# Altium PCB OAI_KPA_Digital_part.PcbDoc (part 3 of 3)
Units mil, origin at the board's own origin, x right, y up, seen from the top; angles counter-clockwise.
Board outline 5906.35 x 2551.18 mil, 4 copper layers (Top Layer, Mid-Layer 1, Internal Plane 2, Bottom Layer); 133 components, 173 nets, 617 pads, 278 vias.
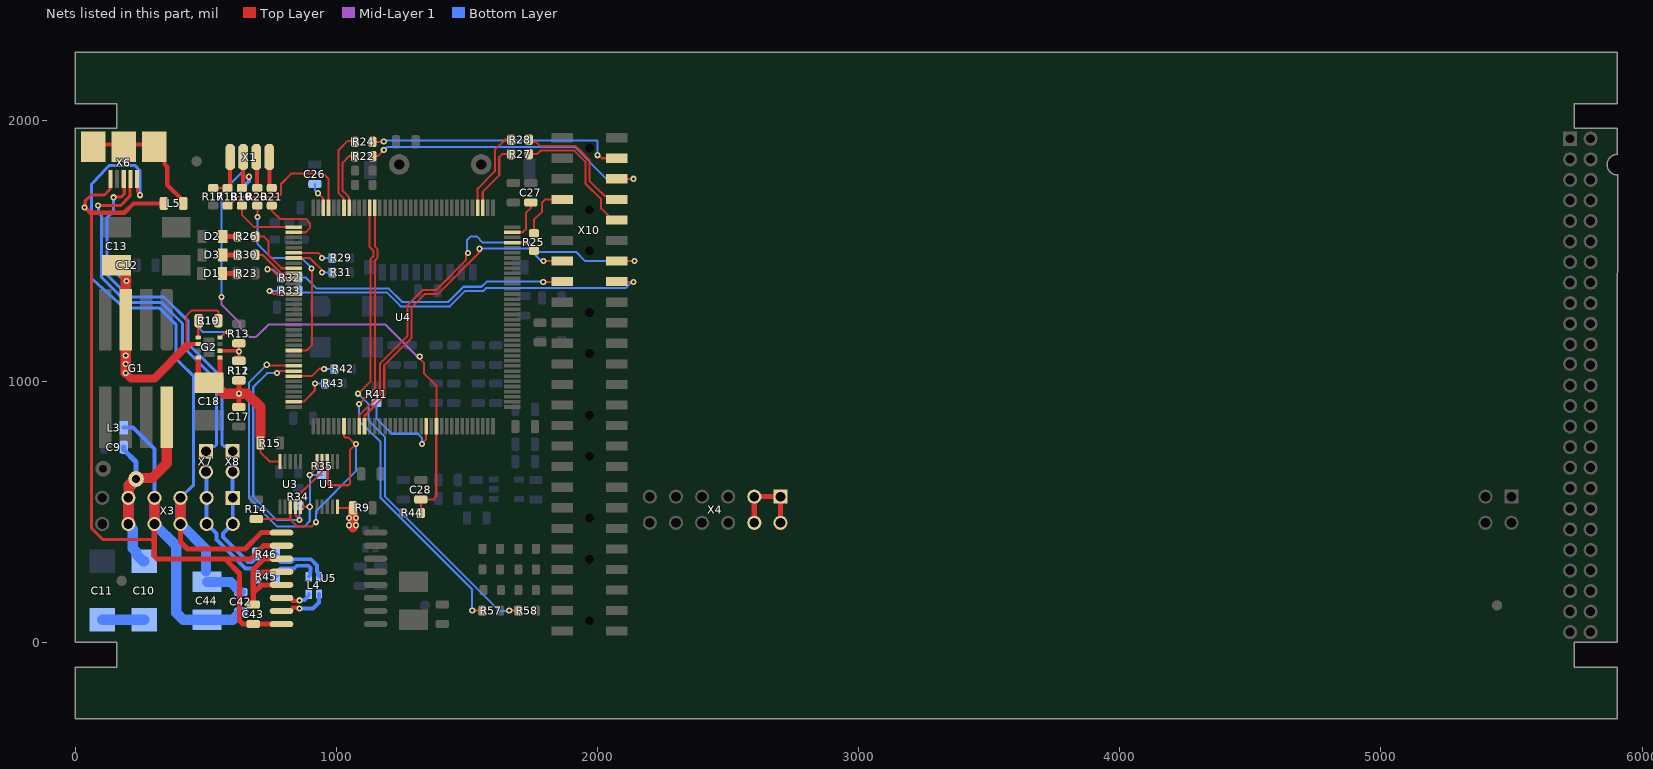
[diagram p5: the nets of this part, all layers, seen from the top]

## Via types
v1: diameter 23.62, hole 11.81, Top Layer to Bottom Layer, 243 vias
v2: diameter 31.5, hole 31.5, Top Layer to Bottom Layer, 30 vias
v3: diameter 19.68, hole 7.87, Top Layer to Bottom Layer, 2 vias
v4: diameter 43.31, hole 31.5, Top Layer to Bottom Layer, 1 vias
v5: diameter 59.06, hole 31.5, Top Layer to Bottom Layer, 1 vias
v6: diameter 47.24, hole 23.62, Top Layer to Bottom Layer, 1 vias

## Nets (pads, with @x,y where several pads share a name; then routed paths per layer and width w, separated by ;. In a path a pad name is that pad's centre, name@x,y a point inside that pad or via, vN(x,y) a via of type N, cw(c..) or ccw(c..) an arc to the next point about the centre after c; other vN are vias at no path point) (continued)
GPIO_CPU_7: R57.1 U4.96 | length 1796.8
  Top Layer w7.87: v1@1086.29,912.79 1146.65,973.16 1146.65,1462.8 1157.48,1473.62 1157.48,1506.24 1146.65,1517.06 U4.96@1146.65,1664.37 ; v1(1519.68,122.05) R57.1@1559.06,122.05
  Bottom Layer w7.87: v1(1086.61,913.39) 1086.61,846.46 1169.29,767.72 1169.29,553.32 1519.68,202.93 v1(1519.68,122.05)
GPIO_CPU_8: R58.1 U4.97 | length 1871.6
  Top Layer w7.87: v1(1082.68,952.76) 1130.91,1000.98 1130.91,1469.32 1141.73,1480.14 1141.73,1499.71 1126.97,1514.48 U4.97@1126.97,1664.37 ; v1(1661.42,122.05) R58.1@1696.7,122.05
  Bottom Layer w7.87: v1(1082.68,952.76) 1122.05,913.39 1122.05,850.39 1185.04,787.4 1185.04,559.85 1623.62,121.27 v1@1662.2,121.27
I2C_CLK: U4.11 X10.14 | length 1228.5
  Top Layer w7.87: U4.11@1107.28,827.76 1107.28,867.13 1182.91,942.75 1182.91,1062.12 1287.4,1166.62 1287.4,1284.23 1337.23,1334.06 1387.83,1334.06 1547.24,1493.47 v1(1547.24,1507.87) ; v1(1793.22,1460.63) X10.14@1864.17,1460.63
  Bottom Layer w7.87: v1(1547.24,1507.87) 1737.69,1507.87 1784.93,1460.63 1787.4,1460.63 v1(1793.22,1460.63)
I2C_DIO: U4.10 X10.13 | length 1672.5
  Top Layer w7.87: U4.10@1087.6,827.76 1087.6,869.71 1167.16,949.27 1167.16,1068.83 1271.21,1172.88 1271.21,1290.31 1330.71,1349.81 1381.31,1349.81 1495.47,1463.97 1495.47,1483.65 v1(1503.64,1491.83) ; X10.13@2072.83,1460.63 v1(2141.73,1460.63)
  Bottom Layer w7.87: v1(1503.64,1491.83) 1500,1495.47 1500,1541.28 1513.83,1555.11 1536.39,1555.11 1560.01,1531.5 1736.33,1531.5 1771.77,1496.06 1917.32,1496.06 1952.76,1460.63 v1(2141.73,1460.63)
I2C_SCL: R35.1 U1.5 U3.5 U4.136 | length 1253.6
  Top Layer w7.87: v1(732.9,1063.61) 736.46,1060.04 835.63,1060.04 U4.136@836.61,1059.06 ; U3.5@862.2,519.69 v1(897.64,519.69) ; v1(897.64,641.73) 897.64,642.72 925.2,670.28 U1.5@925.2,692.91
  Bottom Layer w7.87: v1(732.9,1063.61) 665.35,996.06 665.35,551.63 773.27,443.72 876.31,443.72 897.56,464.97 897.56,527.15 897.96,527.56 897.64,527.88 v1(897.64,641.73) R35.1@944.88,641.73
I2C_SDA: R34.1 U1.4 U3.4 U4.137 | length 1117.8
  Top Layer w7.87: v1(771.65,1031.5) 775.91,1031.5 783.79,1039.37 U4.137@836.61,1039.37 ; U3.4@842.52,492.13 842.52,488.19 858.27,472.44 v1(858.27,468.5) ; U3.4@842.52,519.69 844.49,521.65 844.49,553.15 944.88,653.54 U1.4@944.88,692.91
  Bottom Layer w7.87: v1(771.65,1031.5) 734.31,1031.5 681.1,978.29 681.1,558.15 770.75,468.5 v1(858.27,468.5) 858.27,519.69 R34.1@854.33,523.62
JTDI: R21.2 U4.110 | length 272.2
  Top Layer w7.87: R21.2@751.97,1673.23 751.97,1653.54 783.46,1622.05 881.89,1622.05 897.64,1606.3 897.64,1586.61 881.89,1570.87 U4.110@836.61,1570.87
LED_MCU_Connection: R30.2 U4.118 | length 177
  Top Layer w7.87: R30.2@688.98,1484.25 716.65,1484.25 787.52,1413.39 U4.118@836.61,1413.39
LED_MCU_State: R26.2 U4.117 | length 228.9
  Top Layer w7.87: R26.2@688.98,1555.12 689.19,1554.9 720.69,1554.9 740.16,1535.44 740.16,1483.01 790.1,1433.07 U4.117@836.61,1433.07
NetC10_2: C10.2 C11.1 | length 161.4
  Bottom Layer w39.37: C11.1@102.36,86.61 C10.2@263.78,86.61
NetC12_2: C12.2 C13.1 G1.7 G2.2 R9.1 R10.2 U1.10 | length 1262.4
  Top Layer w7.87: 425.9,1134.84 425.9,1252.67 444.88,1271.65 542.63,1271.65 547.24,1267.04 R10.2@547.24,1232.28 ; U1.10@1003.94,519.69 1003.94,517.72 1005.91,515.75 R9.1@1062.99,515.75
  Top Layer w15.75: 426.04,1134.7 434.05,1142.72 G2.2@470.47,1142.72
  Top Layer w31.5: v1(192.91,1031.5) 213.2,1011.21 302.55,1011.21 426.04,1134.7
  Top Layer w39.37: C13.1@173.23,1447.85 192.91,1428.17 192.91,1381.89 G1.7@192.91,1236.22 v1(192.91,1098.43) v1(192.91,1066.93) v1(192.91,1031.5) ; v1@192.91,1384.54 v1(195.56,1384.54) ; 1062.99,440.95 R9.1@1062.99,515.75
  Bottom Layer w23.62: C12.2@161.42,1444.88 161.42,1418.69 v1(195.56,1384.54)
  other v1: 1047.24,448.82 1074.8,448.82 1047.24,476.38 1074.8,476.38
NetC17_2: C17.2 C18.1 G2.4 G2.5 R11.2 R12.2 R15.1 U3.10 | length 848
  Top Layer w7.87: R15.1@708.66,763.78 708.66,728.35 744.09,692.91 U3.10@783.46,692.91
  Top Layer w19.68: C18.1@470.47,1020.98 G2.4@470.47,1087.6 ; C18.1@470.47,1024.92 500,995.39 C18.1@511.81,995.39 ; C18.1@523.62,995.39 553.15,1024.92 G2.5@553.15,1087.6 ; C17.2@625.98,901.57 v1(625.98,952.76) R12.2@625.98,1003.94
  Top Layer w39.37: C18.1@511.81,995.39 523.62,995.39 527.56,995.39 570.2,952.76 v1(625.98,952.76) 656.7,952.76 709.1,900.36 709.1,792.06
  Bottom Layer w11.81: v1(625.98,952.76) R11.2@625.98,1003.94
NetC19_2: C19.2 G2.8 | length 190.3
  Top Layer w7.87: G2.8@553.15,1168.31 555.12,1168.31 572.77,1185.96 583.6,1185.96 v1(586.61,1188.98)
  Bottom Layer w7.87: C19.2@472.44,1232.28 476.38,1228.35 476.38,1200.79 488.19,1188.98 v1(586.61,1188.98)
NetC26_2: C26.2 U4.106 | length 105
  Top Layer w7.87: v1(929.13,1720.47) 948.82,1700.79 948.82,1665.35 U4.106@949.8,1664.37
  Bottom Layer w7.87: C26.2@917.32,1755.91 917.32,1732.28 v1(929.13,1720.47)
NetC27_2: C27.2 U4.71 | length 167.3
  Top Layer w7.87: U4.71@1673.23,1570.87 1713.86,1570.87 1725.45,1582.45 1725.45,1645.04 1744.03,1663.62 1744.03,1684.98 C27.2@1744.09,1685.04
NetC43_2: C43.2 U5.3 U5.4 U5.5 | length 503.7
  Top Layer w19.68: C43.2@681.1,145.67 681.1,188.98 ; U5.5@789.37,220.47 712.6,220.47 681.1,188.98 ; U5.4@789.37,270.47 717.32,270.47 681.1,234.25 ; U5.3@789.37,320.47 722.05,320.47 681.1,279.53 681.1,234.25 ; 681.1,188.98 681.1,234.25
NetD1_1: D1.1 R23.1 | length 59.1
  Top Layer w19.68: D1.1@562.99,1413.39 R23.1@622.05,1413.39
NetD2_1: D2.1 R26.1 | length 57.8
  Top Layer w19.68: D2.1@564.25,1555.12 R26.1@622.05,1555.12
NetD3_1: D3.1 R30.1 | length 57.8
  Top Layer w19.68: D3.1@564.25,1484.25 R30.1@622.05,1484.25
NetG2_1: G2.1 R10.1 | length 64.8
  Top Layer w7.87: G2.1@470.47,1168.31 470.47,1230.31 R10.1@472.44,1232.28
NetG2_6: G2.6 R11.1 R12.1 R13.2 | length 177.2
  Top Layer w11.81: G2.6@553.15,1117.13 621.06,1117.13 v1@625.98,1112.2 ; R12.1@625.98,1078.74 v1@625.98,1112.2 ; R13.2@625.98,1145.67 v1@625.98,1112.2
  Bottom Layer w11.81: R11.1@625.98,1078.74 v1(625.98,1114.17)
NetL5_1: L5.1 X6.0 | length 497.8
  Top Layer w15.75: X6.0@67.91,1906.5 185.04,1906.5 X6.0@302.17,1906.5 ; X6.0@302.17,1898.62 341.54,1859.25 341.54,1831.77 351.73,1821.58 351.73,1752.6 413.39,1690.94 L5.1@413.39,1681.1
NetR16_1: R16.1 R19.1 X1.A2 | length 197.2
  Top Layer w15.75: R19.1@641.73,1740.16 642.24,1740.67 642.24,1782.06 ; X1.A2@642.76,1858.5 642.24,1857.99 642.24,1782.06 ; v1(665.35,1783.46) 663.95,1782.06 642.24,1782.06
  Bottom Layer w15.75: R16.1@637.8,1740.16 665.35,1767.72 v1(665.35,1783.46)
NetR17_1: R17.1 R18.1 X1.A1 | length 182.9
  Top Layer w7.87: R17.1@523.62,1740.16 R18.1@582.68,1740.16
  Top Layer w15.75: R18.1@582.68,1740.16 584.88,1740.16 592.76,1748.03 X1.A1@592.76,1858.5
NetR20_1: R20.1 X1.A3 | length 120
  Top Layer w15.75: X1.A3@692.76,1858.5 694.8,1856.46 694.8,1742.2 R20.1@696.85,1740.16
NetR21_1: R21.1 X1.A4 | length 126.1
  Top Layer w15.75: X1.A4@742.76,1858.5 742.76,1749.37 R21.1@751.97,1740.16 R21.1@755.91,1740.16
NetR22_2: R22.2 U4.101 | length 241
  Top Layer w7.87: U4.101@1048.23,1664.37 1047.24,1665.35 1047.24,1705.8 1044.29,1708.75 1029.61,1723.43 1023.62,1729.42 1023.62,1837.88 1047.92,1862.18 R22.2@1070.87,1862.2
NetR24_2: R24.2 U4.102 | length 309.3
  Top Layer w7.87: 1007.85,1814.93 1007.85,1720.47 1027.56,1700.76 1027.56,1665.35 U4.102@1028.54,1664.37 ; 1007.87,1814.96 1007.87,1885.83 1043.31,1921.26 1066.93,1921.26 R24.2@1070.87,1917.32
NetR25_1: R25.1 U4.69 | length 108.6
  Top Layer w7.87: U4.69@1674.21,1532.48 U4.69@1673.23,1531.5 1720.47,1531.5 1751.97,1500 R25.1@1755.91,1500 R25.1@1764.06,1508.15
NetR27_1: R27.1 U4.75 | length 283.2
  Top Layer w7.87: U4.75@1560.04,1664.37 1560.04,1725.6 1623.21,1788.77 1623.21,1858.92 1634.36,1870.08 R27.1@1681.1,1870.08
NetR28_1: R28.1 U4.76 | length 339.9
  Top Layer w7.87: U4.76@1540.35,1664.37 1540.35,1737.81 1606.65,1804.1 1606.65,1811.37 1606.68,1886.18 1645.7,1925.2 R28.1@1681.1,1925.2
NetR29_1: R29.1 U4.114 | length 174.8
  Top Layer w7.87: U4.114@836.61,1492.13 929.84,1492.13 949.52,1472.44 v1@952.76,1472.44
  Bottom Layer w7.87: v1(944.88,1472.44) R29.1@984.25,1472.44 R29.1@976.38,1464.57
NetR31_1: R31.1 U4.115 | length 178.3
  Top Layer w7.87: U4.115@836.61,1472.44 897.64,1472.44 v1@952.76,1417.32
  Bottom Layer w7.87: v1(944.88,1417.32) R31.1@984.25,1417.32
NetR32_1: R32.1 U4.119 | length 176.4
  Top Layer w7.87: v1@743.82,1429.25 749.38,1429.25 783.95,1394.69 835.63,1394.69 U4.119@836.61,1393.7
  Bottom Layer w7.87: v1@732.53,1428.82 756.22,1428.82 771.65,1413.39 773.46,1413.39 787.4,1399.44 R32.1@787.4,1397.64
  other v1: 736.22,1429.13
NetR33_1: R33.1 U4.122 | length 140.7
  Top Layer w7.87: v1(744.09,1346.19) 748.62,1346.19 760.17,1334.65 U4.122@836.61,1334.65
  Bottom Layer w7.87: v1(744.09,1346.19) 787.14,1346.19 R33.1@787.4,1346.46
NetR41_1: R41.1 U4.23 | length 363.1
  Top Layer w7.87: v1@1326.77,765.69 1326.77,763.78 1328.8,763.78 1343.5,778.49 U4.23@1343.5,827.76
  Bottom Layer w7.87: R41.1@1140.63,906.62 1152.06,906.62 1152.87,905.81 1152.87,894.38 1153.34,893.9 1153.34,857.03 1211.16,799.21 1311.02,799.21 1326.77,783.46 v1(1326.77,759.84)
NetR42_1: R42.1 U4.138 | length 169.4
  Top Layer w7.87: U4.138@836.61,1019.69 905.57,1019.69 934.11,1048.23 947.71,1048.23 949.74,1050.26 v1(952.76,1047.24)
  Bottom Layer w7.87: v1(952.76,1047.24) R42.1@992.13,1047.24
NetR43_1: R43.1 U4.143 | length 165
  Top Layer w7.87: U4.143@836.61,921.26 837.6,922.24 873.97,922.24 916.71,964.98 916.71,991.51 v1(917.32,992.13)
  Bottom Layer w7.87: v1(917.32,992.13) R43.1@956.69,992.13
NRST: C28.2 R44.2 U4.25 X1.B2 | length 2170.8
  Top Layer w7.87: v1(1318.9,1094.49) 1318.9,1086.62 1334.65,1070.87 1334.65,1031.5 1382.87,983.27 U4.25@1382.87,827.76 1381.89,826.77 1381.89,559.06 1370.08,547.24 C28.2@1322.83,547.24 R44.2@1322.83,496.06
  Mid-Layer 1 w7.87: v1(559.06,1322.83) 559.06,1295.28 629.92,1224.41 629.92,1206.75 667.38,1169.29 686.95,1169.29 691.31,1169.29 739.48,1217.46 1187.43,1217.46 v1@1317.92,1086.97
  Bottom Layer w7.87: v1(559.06,1322.83) 559.06,1721.07 637.82,1799.84 637.82,1853.57 X1.B2@642.76,1858.5
Out_D_1_MB_N: R45.1 X3.3 X3.4 X7.2 | length 498.1
  Top Layer w15: X3.3@502.76,553.74 X3.3@503.56,554.54
  Bottom Layer w15: X7.2@500,653.54 501.38,652.17 501.38,555.12 X3.3@502.76,553.74 X3.4@502.76,453.74 503.33,453.74 540.33,416.74 540.33,394.02 651.5,282.85 675.88,282.85 684.67,274.07 684.67,260.22 R45.1@692.91,251.97 ; X7.2@503.35,654.13 X7.2@503.94,653.54
Out_D_1_MB_P: R46.1 X3.1 X3.2 X8.2 | length 454
  Bottom Layer w15: X8.2@602.36,653.54 602.36,554.13 X3.1@602.76,553.74 X3.2@602.76,453.74 602.18,453.74 565.18,416.74 565.18,404.31 661.79,307.7 675.88,307.7 684.67,316.48 684.67,330.33 R46.1@692.91,338.58
Out_D_2_N: X6.2 X7.1 | length 1425.4
  Top Layer w7.87: X6.2@210.63,1783.46 X6.2@211.61,1782.48
  Top Layer w11.81: 98.99,1673.54 173.59,1673.54 208.66,1708.61 208.66,1727.36 208.66,1773.62 X6.2@210.63,1775.59
  Bottom Layer w11.81: v1(86.61,1673.23) 88.87,1670.97 88.87,1645.63 99.38,1635.12 99.38,1399.28 197.54,1301.13 330.22,1301.13 410.09,1221.26 410.09,1133.83 540.35,1003.56 540.35,776.58 540.35,757.74 533.44,750.82 518.54,750.82 X7.1@500,732.28
Out_D_2_P: X6.3 X8.1 | length 1374
  Top Layer w11.81: v1(145.67,1704.72) 146.71,1705.77 175.2,1705.77 187.01,1717.58 187.01,1773.62 X6.3@185.04,1775.59
  Bottom Layer w11.81: v1(145.67,1704.72) 145.67,1650.79 121.03,1626.15 121.03,1408.25 206.51,1322.78 339.19,1322.78 431.74,1230.23 431.74,1142.8 562.01,1012.53 562.01,785.54 562.01,757.74 568.93,750.82 583.82,750.82 X8.1@602.36,732.28
Out_D_M1_N: L4.3 R45.2 | length 198.4
  Bottom Layer w15: R45.2@767.72,251.97 775.96,260.22 775.96,274.07 784.75,282.85 836.87,282.85 847.86,293.85 892.18,293.85 900.96,285.06 900.96,270.97 898.01,268.02 898.01,256.28 L4.3@893.7,251.97
Out_D_M1_P: L4.2 R46.2 | length 239.6
  Bottom Layer w15: R46.2@767.72,338.58 775.96,330.33 775.96,316.48 784.75,307.7 826.58,307.7 837.57,318.69 902.47,318.69 925.81,295.35 925.81,270.97 928.76,268.02 928.76,256.28 L4.2@933.07,251.97
Out_D_M2_N: L4.4 U5.6 | length 125.1
  Top Layer w15: U5.6@789.37,170.47 820.5,170.47 831.08,159.89 831.08,158.09 848.84,158.09 850.52,159.77 856.62,159.77 v1(858.27,161.42)
  Bottom Layer w15: v1(858.27,161.42) 859.92,163.07 877.63,163.07 893.7,179.13 L4.4@893.7,185.04
Out_D_M2_P: L4.1 U5.7 | length 192.9
  Top Layer w15: U5.7@789.37,120.47 820.5,120.47 831.08,131.05 831.08,133.25 848.84,133.25 850.52,131.57 856.62,131.57 v1(858.27,129.92)
  Bottom Layer w15: v1(858.27,129.92) 909.45,129.92 933.07,153.54 L4.1@933.07,185.04
Power_IN: C9.2 C10.1 G1.1 pad.3 X3.9 X3.10 X4.1 X4.2 X4.3 X4.4 | length 1302.4
  Top Layer w19.68: X4.4@2600,458.27 X4.3@2600,558.27 X4.1@2700,558.27 X4.2@2700,458.27
  Top Layer w39.37: X3.10@202.76,453.74 X3.9@202.76,553.74 204.72,555.71 204.72,602.36 232.28,629.92 294.36,629.92 349.93,685.5 349.93,861.75 G1.1@350.39,862.2
  Bottom Layer w19.68: C9.2@185.04,748.03 185.04,738.19 232.28,690.94 pad.3@232.28,625.98
  Bottom Layer w39.37: pad.3@232.28,625.98 232.28,620.4 205.56,593.67 205.56,556.54 X3.9@202.76,553.74 202.76,449.78 219.53,433.01 219.53,359.68 234.25,344.95 234.25,336.61 259.84,311.02 C10.1@263.78,311.02
PWR_ALERT: R14.2 U1.3 U3.3 U4.7 | length 1087.7
  Top Layer w7.87: R14.2@692.91,472.44 822.83,472.44 ; U3.3@822.83,519.69 822.83,472.44 ; v1(921.26,460.63) 905.51,444.88 848.48,444.88 822.83,470.53 822.83,472.44 ; U1.3@964.57,692.91 966.54,690.94 966.54,606.54 971.15,601.93 1046.57,601.93 1051.18,606.54 1051.18,736.22 1070.87,755.91 1070.87,759.84 1046.26,784.45 1033.16,784.45 1028.54,789.06 U4.7@1028.54,827.76
  Bottom Layer w7.87: v1(921.26,460.63) 921.26,502.63 1074.42,655.8 1074.42,759.46 v1(1074.8,759.84)
SPI_CLK: R25.2 X10.8 | length 213.6
  Top Layer w7.87: R25.2@1755.32,1567.51 R25.2@1755.91,1566.93 1755.91,1618.11 1787.4,1649.61 1787.4,1685.04 1799.21,1696.85 X10.8@1864.17,1696.85
SPI_MISO: R27.2 X10.9 | length 521.3
  Top Layer w7.87: R27.2@1736.22,1870.08 1767.72,1870.08 1781.3,1883.66 1910.4,1883.66 1952.76,1841.31 1952.76,1757.57 2013.21,1697.12 2013.21,1662.92 2058.01,1618.11 X10.9@2072.83,1618.11
SPI_MOSI: R28.2 X10.7 | length 478.1
  Top Layer w7.87: R28.2@1736.22,1925.2 1744.09,1917.32 1763.78,1917.32 1780.57,1900.54 1915.36,1900.54 1916.48,1899.41 1916.93,1899.41 1928.53,1887.81 1968.5,1847.83 1968.5,1767.72 1997.15,1739.07 2026.2,1710.03 2059.66,1710.03 X10.7@2072.83,1696.85
SWCLK: R19.2 U4.109 | length 253.8
  Top Layer w7.87: R19.2@637.8,1673.23 637.8,1637.8 685.04,1590.55 U4.109@836.61,1590.55
SWDIO: R18.2 U4.105 | length 580.1
  Top Layer w7.87: R18.2@582.68,1673.23 586.61,1673.23 619.03,1705.65 776.51,1705.65 787.35,1716.48 787.35,1755.85 826.76,1795.26 950.38,1795.26 969.49,1776.15 U4.105@969.49,1664.37
SWO: R20.2 U4.133 | length 766.6
  Top Layer w7.87: v1(696.85,1629.92) R20.2@696.85,1673.23 ; U4.133@836.61,1118.11 885.83,1118.11 905.51,1137.8 905.51,1431.16 v1(904.56,1432.12)
  Bottom Layer w7.87: v1(696.85,1629.92) 696.85,1526.23 749.91,1473.18 865.41,1473.18 904.56,1434.03 v1(904.56,1432.12)
UART_1_RX: R24.1 X10.3 | length 1013.7
  Top Layer w7.87: R24.1@1137.8,1917.32 1180.19,1917.32 v1(1180.76,1917.89) ; v1(2000,1866.14) 2004.26,1866.14 2016.06,1854.33 X10.3@2072.83,1854.33 2079.11,1848.05 X10.3@2085.39,1854.33
  Bottom Layer w7.87: v1(1180.76,1917.89) 1183.77,1920.91 1192.46,1920.91 1193.25,1921.69 1949.25,1921.69 1949.8,1922.24 1996.4,1922.24 2000,1918.65 v1(2000,1866.14)
UART_1_TX: R22.1 X10.5 | length 1132.3
  Top Layer w7.87: R22.1@1137.8,1862.2 1157.48,1862.2 v1(1181.1,1885.83) ; X10.5@2072.83,1775.59 v1(2137.8,1775.59)
  Top Layer w11.81: X10.5@2071.32,1777.11 X10.5@2072.83,1775.59
  Bottom Layer w7.87: v1(1181.1,1885.83) 1181.78,1885.83 1190.22,1894.27 1190.54,1894.27 1193.91,1897.64 1911.71,1897.64 2033.75,1775.59 v1(2137.8,1775.59)
UART_2_RX: R33.2 X10.15 | length 1412.4
  Top Layer w7.87: X10.15@2072.83,1381.89 2074.23,1380.49 v1(2137.8,1380.49)
  Bottom Layer w7.87: R33.2@854.33,1346.46 861.3,1339.49 1193.97,1339.49 1246.06,1287.4 1433.63,1287.4 1492.69,1346.46 1562.99,1346.46 1573.41,1356.87 2106.87,1356.87 2130.88,1380.88 2131.27,1380.49 v1(2137.8,1380.49)
UART_2_TX: R32.2 X10.16 | length 1082.8
  Top Layer w7.87: v1(1791.88,1380.49) 1862.78,1380.49 X10.16@1864.17,1381.89
  Bottom Layer w7.87: R32.2@854.33,1397.64 881.89,1397.64 924.29,1355.23 1200.5,1355.23 1252.58,1303.15 1427.1,1303.15 1486.16,1362.2 1555.12,1362.2 1574.8,1381.89 1790.48,1381.89 v1(1791.88,1380.49)
USB_GND_IN: C42.1 C43.1 C44.2 L3.2 L5.2 U5.2 U5.8 X3.7 X3.8 X6.5 | length 4228.8
  Top Layer w11.81: v1(35.43,1665.35) 37.69,1667.61 37.69,1691.24 60.14,1713.68 111.12,1713.68 131.89,1734.45 131.89,1773.62 X6.5@133.86,1775.59 ; 57.25,1645.67 61.36,1641.56 61.36,437.46 104.74,394.08 287.44,394.08 301.93,379.59
  Top Layer w15.75: v1(35.43,1665.35) 37.56,1665.35 57.25,1645.67 187.01,1645.67 222.44,1681.1 L5.2@338.58,1681.1
  Top Layer w19.68: X3.8@302.76,453.74 301.93,452.91 301.93,379.59 301.93,330.43 313.46,318.9 573.91,318.9 ; C43.1@681.1,70.87 641.08,70.87 628.48,83.47 628.48,264.33 573.91,318.9 ; C43.1@681.3,70.67 789.17,70.67 U5.8@789.37,70.47 ; U5.2@789.37,370.47 720.87,370.47 669.29,318.9 573.91,318.9
  Top Layer w39.37: X3.8@302.76,453.74 X3.7@302.76,553.74
  Bottom Layer w15.75: L3.2@185.04,822.83 220.47,822.83 302.76,740.55 X3.7@302.76,553.74
  Bottom Layer w39.37: X3.7@302.76,553.74 X3.8@302.76,453.74 385.83,370.67 385.83,114.17 413.39,86.61 C44.2@503.94,86.61 602.36,86.61 627.95,112.2 627.95,114.17 631.89,118.11 C42.1@633.86,118.11
V_in: C42.2 C44.1 U5.1 X3.5 X3.6 X6.1 | length 2916
  Top Layer w11.81: X6.1@236.22,1775.59 238.19,1773.62 238.19,1725.64 247.72,1716.1 v1(247.72,1712.91)
  Top Layer w19.68: X3.6@402.76,453.74 402.76,384.65 429.13,358.27 649.61,358.27 711.81,420.47 U5.1@789.37,420.47
  Top Layer w39.37: X3.6@402.76,453.74 X3.5@402.76,553.74
  Bottom Layer w11.81: v1(247.72,1712.91) 247.72,1806.77 227.31,1827.19 130.34,1827.19 118.11,1814.96 66.93,1759.84 61.02,1753.94 61.02,1395.21 66.93,1389.3 186.6,1281.44 320.92,1281.44 385.83,1216.54 385.83,1085.71 427.66,1043.88 428.57,1043.88 452.76,1019.69 452.76,603.74 X3.5@402.76,553.74
  Bottom Layer w39.37: X3.5@402.76,553.74 X3.6@402.76,453.74 500,356.5 500,271.65 ; C44.1@503.94,231.61 595.16,231.61 618.22,208.55 618.22,206.58 631.89,192.91 C42.2@633.86,192.91
pads on no net: G1.3 G1.4 G1.8 G2.7 U4.8 U4.9 U4.15 U4.42 U4.43 U4.46 U4.47 U4.48 U4.100 U4.123 U4.134 U4.135 X4.9 X4.10 X4.11 X4.12 X6.4 X9.0 X10.0 X11.0 X12.1 X12.2 X12.3 X12.4 X12.5 X12.6 X12.7 X12.8 X12.9 X12.10 X12.11 X12.12 X12.13 X12.14 X12.15 X12.16 X12.17 X12.18 X12.19 X12.20 X12.21 X12.22 X12.23 X12.24 X12.25 X12.26 X12.27 X12.28 X12.29 X12.30 X12.31 X12.32 X12.33 X12.34 X12.35 X12.36 X12.37 X12.38 X12.39 X12.40 X12.41 X12.42 X12.43 X12.44 X12.45 X12.46 X12.47 X12.48 X12.49 X12.50
copper on no net: | length 21.6
  Top Layer w19.68: 2197.46,561.95 2200,559.4 2200,558.27 2200.55,557.72 2201.68,557.72 ; 2200,458.27 2201.68,459.95 ; 2299.03,561.95 2300,560.98 2300,558.27 2300.43,558.27 2301.57,559.41 ; 2300,458.27 2301.57,459.84
  Mid-Layer 1 w7.87: 1551.18,1582.68 1555.44,1582.68
  other v2: 157.48,-19.68 200.79,-19.68 244.09,-19.68 287.4,-19.68 330.71,-19.68 2775.59,-19.68 2818.9,-19.68 2862.2,-19.68 2905.51,-19.68 2948.82,-19.68 5566.93,-19.68 5610.24,-19.68 5653.54,-19.68 5696.85,-19.68 5740.16,-19.68 161.42,1988.19 204.72,1988.19 248.03,1988.19 291.34,1988.19 334.65,1988.19 2775.59,1988.19 2818.9,1988.19 2862.2,1988.19 2905.51,1988.19 2948.82,1988.19 5566.93,1988.19 5610.24,1988.19 5653.54,1988.19 5696.85,1988.19 5740.16,1988.19

## Polygon pours and split planes (outlines as drawn)
no net on Mid-Layer 1 "Layer 1-No Net 2" (solid, pour order 96): 748.03,807.09
no net on Mid-Layer 1 "Layer 1-No Net 1" (solid, pour order 94): 1972.44,1968.5
no net on Mid-Layer 1 "Layer 1-No Net" (solid, pour order 92): 507.87,1358.27
+5V on Mid-Layer 1 "Layer 1-+5V" (solid, pour order 90): 1789,468.8 1728.65,468.8 1642.4,374.02 1220.47,374.02 1127.35,467.14 1127.35,503.51 1157.95,534.11 1186.38,534.11 1268.17,452.31 1304.25,416.23 1638.2,418.51 1682.47,468.8 1682.47,506.63 1703.39,527.56 1772.59,527.56 1789,511.15
NetC12_2 on Mid-Layer 1 "Layer 1-NetC11_2" (solid, pour order 88): 1102.36,409.45 1102.36,527.56 1031.5,598.43 897.64,598.43 566.93,929.13 456.69,1039.37 240.16,1039.37 240.16,1129.92 141.73,1129.92 141.73,1007.87 178.83,970.77 418.99,970.77 905.51,484.25 976.38,484.25 1019.68,409.45
-5V on Mid-Layer 1 "Layer 1--5V" (solid, pour order 86): 318.9,1259.84 460.63,1259.84 460.63,1413.39 267.72,1413.39 35.43,1181.1 35.43,933.07 732.28,236.22 1834.65,236.22 1834.65,452.76 1719.22,452.76 1633.86,358.27 897.64,358.27 338.58,917.32 216.54,917.32 129.92,1003.94 129.92,1161.42 220.47,1161.42
3.3V on Mid-Layer 1 "Layer 1-3.3V" (solid, pour order 84): 2118.11,708.66 2118.11,633.86 1799.21,633.86 1653.54,488.19 1653.54,460.63 1641.73,448.82 1405.51,448.82 1318.9,535.43 1254.59,535.43 1200.79,535.43 1189.41,546.81 1107.16,637.8 889.49,637.8 582.68,944.88 582.68,1137.8 480.31,1240.16 480.31,1476.38 814.96,1811.02 1318.9,1818.9 1393.7,1883.8 1407.54,1897.64 1724.53,1897.64 1732.4,1889.76 1838.34,1889.76 1838.34,1823.08 1837.01,1824.4 1627.55,1824.4 1533.08,1729.93 1313.37,1729.93 1283.46,1759.84 1275.59,1751.97 1212.6,1751.97 1205.68,1758.89 1176.21,1758.89 1176.21,1725.01 1176.81,1724.41 1117.76,1665.35 883.18,1665.35 711.91,1494.08 711.91,1405.52 641.04,1334.65 661.42,1334.65 667.93,1328.13 670.51,1330.71 726.17,1330.71 734.31,1322.57 771.39,1322.57 849.15,1400.33 849.15,1453.69 1026.79,1631.32 1624.11,1631.32 1658.14,1665.35 1786.6,1665.35 1799.21,1618.11 1799.21,1582.68 1446.01,1577.61 1417.44,1549.04 1290.75,1549.04 1182.65,1440.94 1085.83,1440.94 1026.77,1381.89 1019.68,1381.89 905.51,1267.72 614.17,1267.72 559.06,1322.83 559.06,1295.28 629.92,1224.41 629.92,1200.79 661.42,1169.29 692.91,1169.29 740.16,1216.54 1187.73,1216.54 1318.9,1086.61 1338.58,1086.61 1228.35,1196.85 1228.35,1330.71 1503.94,1330.71 1552.84,1281.81 1684.67,1281.81 1774.52,1191.96 1774.52,1163.71 1698.49,1163.71 1645.67,1216.54 1543.31,1216.54 1472.13,1287.72 1467.51,1287.72 1435.7,1255.91 1311.02,1255.91 1311.02,1212.04 1432.79,1090.27 1417.44,1105.63 1318.9,1011.94 1198.09,1129.92 762.98,1129.92 731.48,1098.43 681.1,1098.43 681.1,1055.12 677.17,1051.18 712.6,1015.75 712.6,976.38 736.22,1000 786.03,998.17 807.55,1019.69 1098.43,1019.69 1098.43,885.83 1097.94,886.31 897.89,886.31 847.19,937.01 771.65,937.01 755.91,921.26 909.45,771.65 948.82,771.65 966.55,793.32 982.76,811.02 1269.81,813.12 1290.75,792.19 1290.75,713.19 1291.34,712.6 1145.11,712.6 1129.36,728.35 1062.99,728.35 1031.5,759.84 1027.56,755.91 992.13,755.91 1027.49,720.54 1047.18,720.54 1055.12,712.6 1122.84,712.6 1233.05,602.39 1637.82,602.39 1748.03,712.6 1919.23,712.6 1947.78,684.06 1989.23,684.06 2013.84,708.66
no net on Internal Plane 2 (split plane): 2116.09,1366.14 2116.09,1039.37 2116.09,793.81 2115.64,793.36 1822.83,793.36 1821.29,793.16 1819.86,792.56 1818.62,791.61 1795,767.99 1794.05,766.76 1793.46,765.32 1793.26,763.78 1793.46,762.24 1794.05,760.8 1795,759.57 1817.49,737.08 1817.49,621.48 1817.49,566.07 1811.44,560.02 1795,543.58 1784.93,533.52 1439.48,533.52 1435.09,537.9 1435.09,779.53 1434.89,781.07 1434.54,781.91 1434.29,782.51 1433.35,783.74 1358.54,858.54 1357.31,859.49 1356.71,859.74 1355.87,860.08 1354.33,860.29 1194.93,860.29 1194.93,1162.89 1203.25,1171.21 1629.92,1171.21 1631.46,1171.41 1632.9,1172.01 1634.13,1172.95 1635.08,1174.19 1635.67,1175.62 1635.88,1177.17 1635.88,1375.49 1636.33,1375.93 2116.09,1375.93
no net on Internal Plane 2 (split plane): 345 vertices, not listed, extent 20.1,-271.24 5885.9,2239.75
no net on Internal Plane 2 (split plane): 318.49,1968.5 318.87,1964.58 320.02,1960.81 321.87,1957.34 324.37,1954.29 327.42,1951.79 330.89,1949.94 334.66,1948.79 338.58,1948.41 432.66,1948.41 432.66,1918.5 433.05,1914.58 434.19,1910.81 436.05,1907.34 438.55,1904.29 441.59,1901.79 445.07,1899.94 448.84,1898.79 452.76,1898.41 470.42,1898.41 470.42,1758.37 426.89,1714.84 401.3,1689.25 365.87,1653.82 347.93,1635.88 169.29,1635.88 167.75,1635.67 166.73,1635.25 166.31,1635.08 165.08,1634.13 102.09,1571.14 101.14,1569.91 100.89,1569.31 100.55,1568.47 100.34,1566.93 100.34,1047.24 100.55,1045.7 100.89,1044.86 101.14,1044.27 102.09,1043.03 350.12,795 351.35,794.05 352.79,793.46 354.33,793.26 442.41,793.26 446.8,788.87 446.8,625.98 446.8,592.9 446.8,553.74 446.8,421.26 447,419.72 447.6,418.28 448.54,417.05 468.23,397.36 469.46,396.42 470.9,395.82 472.44,395.62 963.73,395.62 969.27,390.08 969.27,386.98 969.27,245.47 969.27,38.78 969.27,28.94 969.27,20.1 441.16,20.1 441.16,218.34 440.95,219.89 440.36,221.32 439.41,222.56 438.21,223.48 437.28,224.68 261.86,400.11 261.86,613.35 261.89,613.58 261.86,613.81 261.86,614.17 261.66,615.71 261.06,617.15 260.12,618.39 258.88,619.33 257.45,619.93 255.91,620.13 254.36,619.93 253.42,619.54 20.1,619.54 20.1,1948.41 157.48,1948.41 161.4,1948.79 165.17,1949.94 168.65,1951.79 171.69,1954.29 174.19,1957.34 176.05,1960.81 177.19,1964.58 177.58,1968.5 177.58,2024.32 318.49,2024.32
no net on Internal Plane 2 (split plane): 249.95,397.64 250.15,396.1 250.75,394.66 251.69,393.43 428.86,216.26 429.24,215.97 429.24,20.1 338.58,20.1 334.66,19.71 330.89,18.57 327.42,16.71 324.37,14.21 321.87,11.17 320.02,7.69 318.87,3.92 318.49,0 318.49,-70.26 177.58,-70.26 177.58,0 177.19,3.92 176.05,7.69 174.19,11.17 171.69,14.21 168.65,16.71 165.17,18.57 161.4,19.71 157.48,20.1 20.1,20.1 20.1,607.62 249.95,607.62

## Other copper
Top Layer:
  text "'.GlobalFunctionalModuleName' '.GlobalFunctionalModuleRevision' / '.Print_Date'" at 2204.72,55.12 h62.99
  text "'.GlobalProjectName' '.GlobalProjectRevision' / '.Print_Date'" at 27.56,23.62 h62.99
Internal Plane 2 (plane layer: these items are gaps in the copper):
  lines w7.87: 157.48,-74.27 336.19,-74.27 ; 157.48,2028.33 337.98,2028.33
  lines w11.81: -3.94,1047.24 0,1047.24 ; 0.03,613.58 255.94,613.58 ; 255.91,614.17 255.91,397.64 433.07,220.47 ; 334.65,1629.92 350.39,1629.92 ; 435.2,-2.13 435.2,218.34 ; 456.69,1051.18 972.44,535.43 1429.13,535.43 ; 476.38,1338.58 712.6,1338.58 948.82,1574.8 1146.85,1574.8 1630.91,1574.8 1648.62,1574.8 1725.59,1574.8 1815.97,1574.8 2120.98,1574.8 ; 476.38,1921.26 476.38,1755.91 431.1,1710.63 405.51,1685.04 ; 539.37,1531.5 704.72,1696.85 720.47,1696.85 728.35,1696.85 775.59,1696.85 887.01,1696.85 912.01,1696.85 1021.06,1696.85 1046.06,1696.85 1146.85,1696.85 1725.59,1696.85 1815.97,1696.85 2120.98,1696.85 2145.67,1696.85 ; 870.08,1019.69 917.32,1019.69 1118.11,1019.69 1118.11,842.52 1177.17,783.46 1177.17,755.91 1196.85,736.22 1197.34,735.73 1323.8,735.73 1323.8,853.36 ; 870.08,1066.93 870.08,1354.33 1224.41,1354.33 ; 975.23,5.09 975.23,28.94 975.23,38.78 975.23,245.47 975.23,386.98 975.23,392.54 966.2,401.57 964.57,401.57 472.44,401.57 452.76,421.26 452.76,553.74 452.76,592.9 452.76,625.98 452.76,791.34 444.88,799.21 413.39,799.21 354.33,799.21 106.3,1047.24 106.3,1566.93 169.29,1629.92 348.21,1629.92 350.39,1629.92 ; 1200.79,401.57 1456.69,145.67 1456.69,3.94 ; 1224.41,1177.17 1224.41,1354.33 ; 1250,1379.92 1631.89,1379.92 ; 1338.58,393.7 1815.97,393.7 2120.98,393.7 2120.98,6.81 ; 2120.98,1381.89 1815.97,1381.89 1648.62,1381.89 1633.86,1381.89 1629.92,1377.95 1629.92,1177.17 1200.79,1177.17 1188.98,1165.35 1188.98,854.33 1354.33,854.33 1429.13,779.53 1429.13,535.43 ; 2122.05,1381.47 2122.05,1366.14 2122.05,1039.37 2122.05,791.34 2118.11,787.4 1822.83,787.4 1799.21,763.78 1823.44,739.55 1823.44,621.48 ; 2143.95,1698.56 2143.95,1728.35 2143.95,1812.74 2143.95,1978.68 ; 350.39,1629.92 370.08,1649.61 ; 370.08,1649.61 405.51,1685.04 ; 370.08,1649.61 405.51,1685.04 ; 1224.41,1354.33 1224.41,1354.33 ; 1429.13,535.43 1437.01,527.56 1787.4,527.56 1799.21,539.37 1815.65,555.81 1823.44,563.6 ; 1823.44,563.6 1823.44,621.48 ; 1823.44,563.6 1823.44,621.48

## Silkscreen, mask and mechanical layers (free items; w line width, h text height)
Bottom Overlay:
  drawing of 2080 lines, arcs and shapes, not listed
Mechanical 1:
  lines w5.91: 0,2062.99 157.48,2062.99 157.48,2000 157.48,1968.5 113.19,1968.5 0,1968.5 0,1047.24 0,620.08 0,0 157.48,0 157.48,-31.5 157.48,-94.49 0,-94.49 0,-291.34 5905.51,-291.34 5905.51,-94.49 5748.03,-94.49 5740.16,-94.49 5740.16,-31.5 5740.16,0 5748.03,0 5842.52,0 5905.51,0 5905.51,1039.37 ; 0,2064.63 0,2261.48 ; 0,2259.84 5905.51,2259.84 5905.51,2062.99 5748.03,2062.99 5740.16,2062.99 5740.16,2000 5740.16,1968.5 5748.03,1968.5 5842.52,1968.5 5905.51,1968.5 5905.51,1870.02 ; 338.58,1968.5 338.58,2000 338.58,2062.99 2775.59,2062.99 2775.59,2000 2775.59,1968.5 2228.35,1968.5 882.76,1968.5 882.76,1918.5 452.76,1918.5 452.76,1968.5 452.58,1968.68 338.58,1968.68 ; 2948.82,1968.5 2948.82,2000 2948.82,2062.99 ; 2948.82,2062.76 3205.28,2062.76 3205.51,2062.99 5302.76,2062.99 5566.93,2062.99 5566.93,2000 5566.93,1968.5 5566.27,1967.85 2949.99,1967.85 ; 5905.51,1039.87 5906.01,1790.47 cw(c5905.2,1829.83) 5906.35,1869.18 ; 338.58,-94.49 338.58,-31.5 338.58,0 435.2,0 602.76,0 975.23,0 1456.69,0 2700,0 2775.59,0 2775.59,-31.5 2775.59,-94.49 2700,-94.49 602.76,-94.49 338.58,-94.49 ; 2948.82,-94.49 2948.82,-31.5 2948.82,0 3133.86,0 5500,0 5566.93,0 5566.93,-31.5 5566.93,-94.49 5500,-94.49 3133.86,-94.49 2948.82,-94.49
  lines w31.5: 542.76,1828.5 542.76,1918.5 ; 792.76,1828.5 792.76,1918.5

## Dimensions
0,-12.95 to 5500,558.27 on Mechanical 13
0,-12.95 to 2700,558.27 on Mechanical 13
0,0 to 602.76,553.74 on Mechanical 13